# KiCad board sizif128.kicad_pcb (continued)
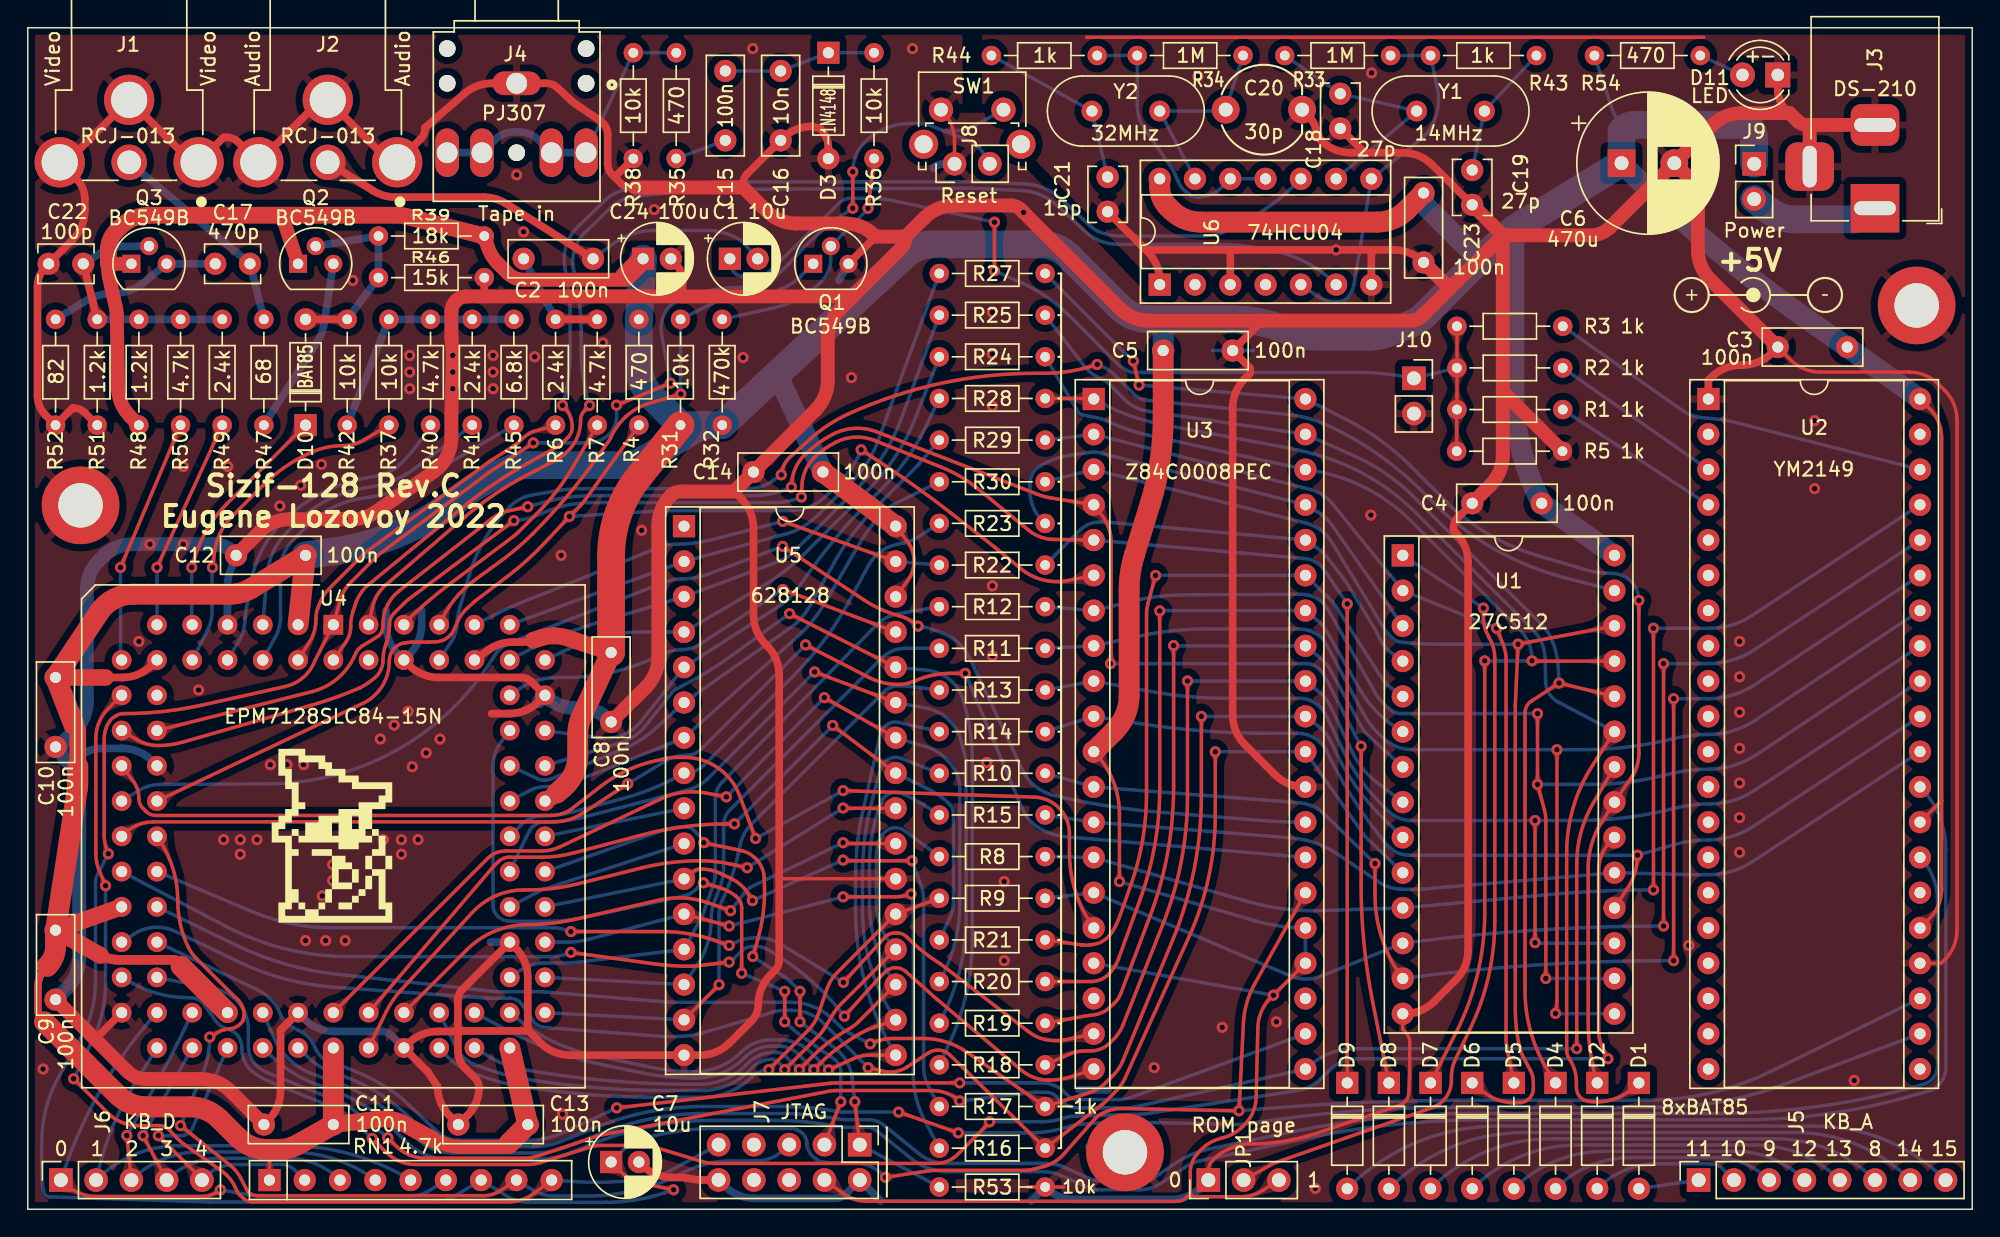
[diagram p0: board, top side]
## Copper pours and planes (outline as drawn; the poured copper is in the pictures) (continued)
TMS on Top: 10.42,25.02 10.33,25.27 10.25,25.49 10.2,25.68 10.15,25.84 10.12,26 10.09,26.15 10.07,26.32 10.05,26.49 10.01,26.93 9.11,27.16 8.92,26.26 9.11,26.14 9.28,26.04 9.43,25.94 9.57,25.85 9.69,25.76 9.8,25.65 9.9,25.52 10,25.36 10.09,25.17 10.19,24.93
TMS on Top: 32.48,0.88 32.83,0.85 33.13,0.86 33.39,0.92 33.62,0.99 33.83,1.08 34.03,1.17 34.24,1.25 34.48,1.31 34.75,1.33 35.06,1.31 35.51,2.32 34.49,2.51 34.34,2.24 34.19,2 34.05,1.77 33.9,1.57 33.75,1.41 33.57,1.27 33.37,1.17 33.13,1.11 32.84,1.09 32.51,1.12
TMS on Bottom: 37.85,1.08 37.51,1.1 37.22,1.15 36.98,1.23 36.78,1.33 36.61,1.47 36.45,1.63 36.31,1.82 36.17,2.03 36.02,2.27 35.85,2.53 34.84,2.31 35.17,1.3 35.49,1.28 35.77,1.24 36.02,1.19 36.23,1.13 36.44,1.06 36.66,1 36.89,0.93 37.16,0.88 37.47,0.84 37.84,0.83
TMS on Bottom: 13.12,11.18 13.15,11.33 13.17,11.46 13.19,11.57 13.22,11.66 13.24,11.75 13.27,11.83 13.31,11.91 13.35,12 13.4,12.1 13.45,12.22 13.11,12.6 12.74,12.24 12.78,12.12 12.83,12.03 12.86,11.94 12.89,11.85 12.9,11.77 12.91,11.68 12.92,11.59 12.91,11.49 12.9,11.37 12.88,11.23
TMS on Bottom: 52.63,3.36 52.94,3.39 53.2,3.43 53.43,3.48 53.62,3.53 53.8,3.58 53.98,3.64 54.16,3.69 54.37,3.74 54.6,3.77 54.88,3.8 55.14,4.93 54.04,4.99 53.85,4.54 53.76,4.35 53.67,4.17 53.57,4.02 53.44,3.89 53.29,3.78 53.11,3.7 52.88,3.64 52.61,3.61
TMS on Bottom: 11.35,7.17 11.29,7.04 11.24,6.92 11.19,6.83 11.14,6.75 11.09,6.68 11.04,6.61 10.98,6.55 10.91,6.48 10.83,6.41 10.74,6.33 10.92,5.84 11.4,6.04 11.39,6.17 11.39,6.28 11.39,6.37 11.4,6.46 11.41,6.54 11.42,6.63 11.45,6.72 11.48,6.82 11.53,6.94 11.58,7.07
VA0 on Top: 59.89,22.63 59.75,22.63 59.62,22.63 59.52,22.64 59.42,22.65 59.34,22.67 59.25,22.69 59.17,22.72 59.08,22.76 58.99,22.81 58.87,22.86 58.5,22.5 58.87,22.14 58.99,22.19 59.08,22.24 59.17,22.28 59.25,22.31 59.34,22.33 59.42,22.35 59.52,22.36 59.62,22.37 59.75,22.37 59.89,22.38
VA0 on Top: 49.59,20.77 49.31,20.85 49.08,20.93 48.88,21.01 48.71,21.1 48.56,21.19 48.42,21.3 48.28,21.41 48.13,21.54 47.97,21.7 47.77,21.87 46.86,21.36 47.4,20.47 47.66,20.53 47.88,20.58 48.07,20.62 48.25,20.65 48.43,20.67 48.6,20.68 48.79,20.67 49,20.64 49.24,20.6 49.53,20.53
VA0 on Top: 49.32,20.58 49.46,20.55 49.57,20.51 49.68,20.47 49.76,20.44 49.84,20.4 49.91,20.35 49.99,20.3 50.06,20.25 50.15,20.18 50.24,20.1 50.69,20.35 50.42,20.79 50.3,20.77 50.2,20.75 50.1,20.74 50.01,20.73 49.93,20.73 49.84,20.73 49.75,20.74 49.64,20.76 49.52,20.79 49.38,20.83
VA0 on Bottom: 40.33,19.56 39.96,19.46 39.64,19.39 39.35,19.35 39.09,19.35 38.85,19.37 38.62,19.42 38.39,19.5 38.14,19.6 37.86,19.73 37.55,19.88 36.88,19.24 37.55,18.6 37.87,18.75 38.16,18.85 38.41,18.93 38.65,18.98 38.88,19.02 39.13,19.05 39.39,19.09 39.68,19.14 40.01,19.22 40.41,19.32
VA0 on Bottom: 64.54,6.19 64.66,5.96 64.75,5.76 64.81,5.59 64.86,5.43 64.89,5.28 64.91,5.13 64.92,4.97 64.92,4.8 64.92,4.6 64.93,4.37 65.79,4.09 66.04,4.96 65.86,5.1 65.7,5.21 65.56,5.31 65.43,5.41 65.32,5.51 65.21,5.62 65.11,5.75 65,5.9 64.89,6.08 64.76,6.31
VA0 on Bottom: 44.97,20.53 45.26,20.6 45.5,20.64 45.71,20.67 45.9,20.68 46.07,20.67 46.25,20.65 46.43,20.62 46.62,20.58 46.84,20.53 47.1,20.47 47.64,21.36 46.73,21.87 46.53,21.7 46.37,21.54 46.22,21.41 46.08,21.3 45.94,21.19 45.79,21.1 45.62,21.01 45.42,20.93 45.19,20.85 44.91,20.77
VA0 on Bottom: 63.86,21.21 63.88,21.41 63.89,21.57 63.91,21.96 63.92,22.08 63.93,22.19 63.94,22.32 63.97,22.46 63.99,22.63 63.55,22.89 63.3,22.43 63.4,22.32 63.47,22.22 63.53,22.12 63.58,22.02 63.61,21.92 63.63,21.81 63.64,21.69 63.63,21.55 63.63,21.4 63.61,21.23
VA1 on Top: 48.46,24.63 48.33,24.62 48.22,24.61 48.11,24.59 48.01,24.57 47.84,24.53 47.76,24.51 47.7,24.5 47.65,24.51 47.6,24.52 46.93,23.56 48.03,23.96 48.03,23.99 48.04,24.04 48.06,24.09 48.09,24.15 48.13,24.2 48.17,24.26 48.23,24.3 48.3,24.34 48.37,24.37 48.46,24.38
VA1 on Top: 62.49,24.97 62.63,24.97 62.75,24.97 62.86,24.96 62.95,24.95 63.04,24.93 63.12,24.91 63.2,24.88 63.29,24.84 63.39,24.79 63.5,24.74 63.88,25.1 63.5,25.46 63.39,25.41 63.29,25.36 63.2,25.32 63.12,25.29 63.04,25.27 62.95,25.25 62.86,25.24 62.75,25.23 62.63,25.23 62.49,25.22
VA1 on Top: 51.33,23.2 51.44,23.09 51.52,22.99 51.59,22.9 51.65,22.81 51.69,22.73 51.71,22.64 51.74,22.54 51.75,22.44 51.76,22.32 51.78,22.19 52.28,22.05 52.39,22.56 52.28,22.64 52.18,22.71 52.09,22.78 52.02,22.85 51.95,22.92 51.88,22.99 51.72,23.16 51.62,23.26 51.5,23.38
VA1 on Bottom: 57.67,24.55 57.8,24.61 57.91,24.65 58.01,24.69 58.1,24.72 58.19,24.73 58.27,24.75 58.36,24.75 58.46,24.75 58.56,24.75 58.69,24.75 58.88,25.23 58.39,25.41 58.31,25.31 58.24,25.23 58.18,25.16 58.11,25.1 58.05,25.04 57.98,24.99 57.9,24.94 57.8,24.89 57.69,24.84 57.56,24.78
VA1 on Bottom: 64.19,24.02 64.15,24.16 64.11,24.28 64.08,24.38 64.06,24.47 64.05,24.56 64.04,24.64 64.04,24.73 64.05,24.83 64.06,24.93 64.07,25.06 63.61,25.29 63.4,24.81 63.48,24.73 63.56,24.65 63.62,24.58 63.68,24.51 63.73,24.44 63.78,24.37 63.82,24.28 63.86,24.19 63.91,24.07 63.96,23.94
VA1 on Bottom: 64.38,10.17 64.4,9.78 64.45,9.46 64.51,9.18 64.58,8.93 64.65,8.71 64.73,8.49 64.8,8.27 64.86,8.01 64.91,7.72 64.93,7.38 65.8,7.09 66.04,7.97 65.77,8.16 65.54,8.33 65.33,8.49 65.15,8.66 65,8.83 64.87,9.03 64.77,9.25 64.7,9.51 64.65,9.82 64.63,10.18
VA1 on Bottom: 39.31,22.32 39.05,22.28 38.83,22.25 38.64,22.23 38.47,22.23 38.32,22.25 38.16,22.27 38.01,22.31 37.83,22.36 37.64,22.41 37.42,22.47 36.89,21.71 37.67,21.21 37.85,21.36 38.01,21.48 38.15,21.59 38.28,21.68 38.41,21.77 38.55,21.84 38.71,21.9 38.89,21.97 39.1,22.02 39.35,22.08
VA1 on Bottom: 53.21,22.83 53.08,22.77 52.96,22.72 52.86,22.69 52.77,22.66 52.69,22.64 52.6,22.63 52.51,22.62 52.42,22.62 52.31,22.62 52.19,22.62 51.99,22.14 52.48,21.97 52.56,22.06 52.63,22.14 52.7,22.21 52.76,22.28 52.83,22.33 52.9,22.38 52.98,22.43 53.07,22.48 53.18,22.54 53.31,22.6
VA1 on Bottom: 44.93,23.2 45.22,23.26 45.47,23.29 45.68,23.3 45.87,23.3 46.04,23.28 46.21,23.25 46.39,23.21 46.58,23.15 46.8,23.09 47.05,23.03 47.64,23.88 46.77,24.44 46.56,24.28 46.38,24.14 46.23,24.01 46.08,23.9 45.94,23.81 45.78,23.72 45.61,23.65 45.41,23.58 45.17,23.51 44.88,23.45
VA2 on Top: 55.97,42.47 55.84,42.54 55.73,42.6 55.64,42.66 55.56,42.71 55.5,42.76 55.43,42.82 55.37,42.89 55.31,42.96 55.24,43.04 55.17,43.14 54.67,42.99 54.84,42.5 54.97,42.5 55.07,42.49 55.17,42.49 55.26,42.48 55.34,42.46 55.43,42.44 55.52,42.41 55.61,42.37 55.73,42.32 55.86,42.25
VA2 on Top: 60.3,40.01 60.56,39.87 60.77,39.74 60.95,39.62 61.09,39.5 61.22,39.38 61.33,39.25 61.45,39.11 61.57,38.95 61.7,38.76 61.85,38.55 62.85,38.86 62.5,39.84 62.24,39.84 62.02,39.84 61.82,39.84 61.64,39.85 61.46,39.86 61.29,39.89 61.11,39.94 60.9,40.01 60.68,40.1 60.41,40.23
VA2 on Bottom: 66.76,13.25 66.63,12.89 66.5,12.59 66.39,12.32 66.27,12.1 66.15,11.9 66.01,11.71 65.86,11.54 65.67,11.36 65.45,11.16 65.19,10.94 65.48,10.08 66.33,10.41 66.33,10.75 66.34,11.05 66.37,11.3 66.41,11.54 66.47,11.76 66.54,11.98 66.63,12.22 66.73,12.49 66.86,12.8 67,13.17
VA2 on Bottom: 66.3,38.37 65.89,38.64 65.52,38.82 65.18,38.94 64.87,39.02 64.57,39.07 64.27,39.12 63.97,39.19 63.66,39.29 63.33,39.45 62.96,39.69 62.09,39.08 62.77,38.29 63.17,38.44 63.53,38.57 63.86,38.68 64.17,38.76 64.47,38.8 64.77,38.79 65.08,38.73 65.41,38.61 65.76,38.42 66.15,38.17
VA2 on Bottom: 39.24,32.68 38.99,32.61 38.78,32.56 38.59,32.53 38.42,32.51 38.26,32.51 38.11,32.52 37.95,32.54 37.78,32.57 37.58,32.61 37.35,32.64 36.9,31.84 37.72,31.42 37.89,31.58 38.04,31.72 38.17,31.84 38.29,31.94 38.41,32.04 38.54,32.13 38.69,32.21 38.86,32.28 39.07,32.36 39.32,32.44
VA2 on Bottom: 53.96,42.1 54.08,42.18 54.18,42.25 54.27,42.31 54.35,42.35 54.43,42.39 54.51,42.42 54.6,42.44 54.69,42.46 54.8,42.48 54.92,42.51 55.01,43.02 54.5,43.09 54.44,42.98 54.39,42.89 54.34,42.8 54.29,42.73 54.23,42.66 54.18,42.6 54.11,42.53 54.03,42.47 53.93,42.39 53.81,42.3
VA3 on Top: 57.81,38.4 57.67,38.45 57.56,38.5 57.46,38.54 57.38,38.59 57.31,38.63 57.24,38.69 57.17,38.74 57.1,38.81 57.03,38.89 56.94,38.98 56.46,38.77 56.69,38.3 56.81,38.31 56.92,38.32 57.01,38.32 57.1,38.32 57.19,38.32 57.27,38.3 57.37,38.28 57.47,38.25 57.58,38.21 57.72,38.16
VA3 on Top: 60.21,37.23 60.48,37.12 60.71,37.01 60.89,36.91 61.05,36.81 61.19,36.7 61.32,36.58 61.45,36.45 61.58,36.31 61.73,36.14 61.91,35.95 62.86,36.36 62.42,37.3 62.16,37.27 61.93,37.25 61.74,37.22 61.55,37.21 61.38,37.21 61.2,37.22 61.02,37.24 60.81,37.29 60.57,37.36 60.3,37.46
VA3 on Bottom: 55.9,37.77 56,37.87 56.09,37.96 56.17,38.02 56.25,38.08 56.32,38.13 56.39,38.17 56.47,38.21 56.56,38.24 56.66,38.28 56.78,38.32 56.79,38.84 56.27,38.83 56.23,38.71 56.19,38.61 56.16,38.52 56.12,38.44 56.08,38.37 56.03,38.3 55.97,38.22 55.91,38.14 55.82,38.05 55.72,37.95
VA3 on Bottom: 35.51,26.3 35.39,26.06 35.28,25.87 35.18,25.71 35.08,25.58 34.97,25.46 34.86,25.35 34.74,25.25 34.6,25.14 34.44,25.02 34.26,24.88 34.55,24 35.41,24.32 35.41,24.56 35.4,24.76 35.4,24.93 35.4,25.09 35.42,25.25 35.44,25.4 35.48,25.57 35.54,25.75 35.62,25.95 35.73,26.19
VA3 on Bottom: 66.21,35.5 65.83,35.8 65.48,36.02 65.15,36.17 64.85,36.27 64.55,36.35 64.27,36.43 63.97,36.52 63.67,36.65 63.36,36.84 63.01,37.1 62.1,36.57 62.7,35.73 63.11,35.84 63.48,35.94 63.82,36.02 64.13,36.07 64.44,36.08 64.73,36.05 65.03,35.96 65.35,35.82 65.68,35.6 66.05,35.31
VA3 on Bottom: 66.39,15.36 66.29,15.12 66.2,14.93 66.11,14.77 66.01,14.63 65.91,14.52 65.8,14.41 65.68,14.31 65.54,14.21 65.38,14.09 65.2,13.95 65.47,13.09 66.33,13.39 66.33,13.62 66.33,13.82 66.33,14 66.34,14.16 66.35,14.31 66.38,14.46 66.41,14.63 66.46,14.81 66.53,15.02 66.62,15.27
VA4 on Top: 58.45,36.38 58.32,36.45 58.22,36.51 58.13,36.57 58.05,36.63 57.99,36.69 57.93,36.75 57.87,36.81 57.81,36.89 57.75,36.98 57.68,37.08 57.18,36.95 57.33,36.45 57.45,36.44 57.56,36.43 57.65,36.42 57.74,36.41 57.82,36.39 57.91,36.36 57.99,36.33 58.09,36.28 58.2,36.23 58.33,36.16
VA4 on Top: 60.35,35.02 60.6,34.87 60.8,34.74 60.97,34.61 61.12,34.48 61.24,34.36 61.35,34.22 61.45,34.07 61.56,33.91 61.69,33.72 61.83,33.5 62.84,33.76 62.54,34.76 62.28,34.77 62.05,34.78 61.85,34.79 61.67,34.8 61.5,34.83 61.33,34.86 61.15,34.92 60.95,35 60.73,35.1 60.47,35.24
VA4 on Top: 23.42,15.76 23.23,15.58 23.07,15.43 22.92,15.31 22.77,15.22 22.64,15.15 22.5,15.08 22.34,15.03 22.18,14.97 21.99,14.91 21.77,14.83 21.75,13.91 22.67,13.93 22.75,14.15 22.81,14.34 22.87,14.5 22.92,14.66 22.99,14.8 23.06,14.93 23.15,15.08 23.27,15.23 23.42,15.39 23.6,15.58
VA4 on Bottom: 66.18,32.54 65.82,32.89 65.48,33.15 65.17,33.33 64.86,33.47 64.57,33.58 64.28,33.69 64,33.81 63.7,33.97 63.4,34.2 63.08,34.5 62.11,34.07 62.62,33.17 63.05,33.24 63.44,33.3 63.79,33.35 64.12,33.36 64.43,33.34 64.73,33.27 65.03,33.15 65.34,32.97 65.66,32.71 66,32.37
VA4 on Bottom: 56.6,35.91 56.71,36.02 56.8,36.1 56.88,36.17 56.95,36.23 57.02,36.28 57.1,36.32 57.18,36.36 57.27,36.39 57.37,36.43 57.48,36.47 57.49,36.99 56.97,36.98 56.93,36.86 56.89,36.76 56.86,36.67 56.82,36.59 56.78,36.52 56.73,36.44 56.68,36.37 56.61,36.28 56.53,36.19 56.43,36.09
VA4 on Bottom: 51.05,30.64 50.94,30.53 50.85,30.45 50.77,30.38 50.7,30.32 50.63,30.27 50.55,30.23 50.47,30.19 50.38,30.16 50.28,30.12 50.17,30.08 50.16,29.56 50.68,29.57 50.72,29.69 50.76,29.79 50.79,29.88 50.83,29.96 50.87,30.03 50.92,30.11 50.97,30.18 51.04,30.27 51.12,30.36 51.22,30.46
VA4 on Bottom: 66.38,18.36 66.29,18.12 66.2,17.93 66.11,17.77 66.02,17.63 65.92,17.52 65.81,17.41 65.68,17.31 65.55,17.21 65.39,17.09 65.21,16.96 65.47,16.09 66.33,16.39 66.33,16.62 66.34,16.82 66.34,16.99 66.35,17.15 66.36,17.31 66.38,17.46 66.42,17.63 66.46,17.81 66.53,18.03 66.61,18.28
VA5 on Top: 49.51,27.61 49.68,27.62 49.82,27.62 49.95,27.62 50.06,27.61 50.16,27.6 50.26,27.58 50.36,27.55 50.46,27.51 50.58,27.46 50.71,27.39 51.08,27.76 50.71,28.11 50.57,28.05 50.46,28 50.35,27.96 50.25,27.93 50.16,27.91 50.05,27.9 49.94,27.88 49.82,27.88 49.67,27.87 49.5,27.86
VA5 on Top: 25.83,15.86 25.66,15.67 25.5,15.51 25.36,15.38 25.23,15.28 25.1,15.19 24.96,15.12 24.81,15.05 24.65,14.98 24.47,14.9 24.25,14.81 24.31,13.89 25.23,13.98 25.28,14.2 25.33,14.4 25.38,14.57 25.42,14.73 25.47,14.87 25.54,15.02 25.62,15.16 25.72,15.32 25.85,15.5 26.02,15.7
VA5 on Top: 60.51,32.76 60.74,32.58 60.92,32.42 61.08,32.27 61.2,32.12 61.3,31.98 61.39,31.83 61.48,31.67 61.56,31.49 61.66,31.29 61.78,31.06 62.81,31.18 62.65,32.2 62.39,32.25 62.17,32.29 61.97,32.33 61.79,32.36 61.63,32.41 61.46,32.47 61.29,32.55 61.1,32.65 60.9,32.79 60.66,32.96
VA5 on Top: 58.97,34.23 58.86,34.32 58.77,34.4 58.69,34.47 58.62,34.54 58.56,34.6 58.51,34.67 58.46,34.74 58.41,34.83 58.36,34.92 58.31,35.03 57.79,34.97 57.87,34.46 57.99,34.43 58.1,34.41 58.19,34.39 58.28,34.36 58.36,34.33 58.44,34.29 58.52,34.25 58.61,34.19 58.71,34.12 58.82,34.03
VA5 on Bottom: 64.69,30.47 64.43,30.61 64.21,30.73 64.04,30.85 63.89,30.97 63.76,31.09 63.65,31.22 63.53,31.36 63.41,31.52 63.28,31.7 63.12,31.91 62.13,31.6 62.48,30.62 62.74,30.62 62.97,30.62 63.17,30.63 63.35,30.62 63.52,30.61 63.7,30.58 63.88,30.54 64.08,30.47 64.31,30.37 64.58,30.25
VA5 on Bottom: 57.2,33.9 57.3,34 57.4,34.09 57.48,34.16 57.56,34.22 57.63,34.27 57.71,34.31 57.79,34.35 57.88,34.39 57.98,34.43 58.1,34.48 58.09,35 57.57,34.96 57.53,34.85 57.5,34.74 57.46,34.65 57.43,34.57 57.38,34.5 57.34,34.42 57.28,34.35 57.21,34.27 57.12,34.18 57.02,34.07
VA5 on Bottom: 66.53,22.3 66.52,21.92 66.49,21.6 66.43,21.33 66.34,21.1 66.22,20.89 66.07,20.71 65.9,20.53 65.69,20.35 65.46,20.16 65.19,19.95 65.48,19.08 66.33,19.42 66.34,19.77 66.37,20.07 66.42,20.33 66.48,20.57 66.56,20.79 66.63,21.03 66.69,21.28 66.74,21.57 66.77,21.9 66.78,22.3
VA5 on Bottom: 51.63,28.68 51.53,28.58 51.44,28.5 51.36,28.43 51.28,28.37 51.21,28.33 51.14,28.28 51.06,28.25 50.97,28.21 50.87,28.17 50.75,28.13 50.74,27.61 51.26,27.62 51.3,27.74 51.34,27.84 51.37,27.93 51.41,28.01 51.45,28.09 51.5,28.16 51.56,28.23 51.62,28.31 51.71,28.41 51.81,28.51
VA6 on Top: 60.2,47.34 60.47,47.24 60.7,47.14 60.89,47.04 61.05,46.94 61.19,46.84 61.32,46.72 61.45,46.59 61.58,46.45 61.74,46.29 61.92,46.1 62.87,46.53 62.4,47.46 62.14,47.42 61.92,47.39 61.72,47.37 61.54,47.35 61.37,47.34 61.19,47.35 61,47.37 60.8,47.42 60.56,47.48 60.28,47.58
VA6 on Top: 55.51,49.27 55.38,49.32 55.26,49.36 55.17,49.41 55.08,49.45 55.01,49.5 54.94,49.55 54.87,49.6 54.8,49.67 54.72,49.74 54.63,49.83 54.16,49.62 54.39,49.15 54.52,49.17 54.62,49.18 54.72,49.18 54.81,49.18 54.89,49.18 54.98,49.17 55.07,49.15 55.18,49.12 55.29,49.08 55.43,49.03
VA6 on Bottom: 63.54,46.45 63.79,46.42 64.01,46.39 64.19,46.35 64.35,46.31 64.49,46.25 64.63,46.18 64.76,46.11 64.91,46.02 65.08,45.91 65.27,45.8 65.98,46.37 65.38,47.05 65.17,46.97 64.99,46.9 64.82,46.83 64.68,46.78 64.53,46.74 64.38,46.7 64.21,46.68 64.03,46.68 63.81,46.68 63.56,46.7
VA6 on Bottom: 64.88,46.59 64.59,46.62 64.35,46.65 64.14,46.7 63.96,46.76 63.79,46.82 63.64,46.9 63.48,46.99 63.31,47.09 63.12,47.21 62.9,47.35 62.09,46.69 62.78,45.91 63.02,46.01 63.23,46.1 63.41,46.17 63.58,46.23 63.75,46.29 63.92,46.32 64.11,46.35 64.32,46.36 64.57,46.36 64.86,46.34
VA6 on Bottom: 34.02,43.15 33.78,43.04 33.58,42.96 33.4,42.89 33.24,42.85 33.08,42.83 32.93,42.81 32.77,42.81 32.59,42.81 32.39,42.81 32.16,42.81 31.84,41.94 32.72,41.66 32.86,41.84 32.98,42 33.09,42.14 33.19,42.27 33.3,42.38 33.41,42.49 33.55,42.59 33.71,42.7 33.9,42.81 34.13,42.93
VA7 on Bottom: 45.15,30.24 45.43,30.35 45.66,30.44 45.87,30.5 46.06,30.54 46.24,30.57 46.41,30.59 46.6,30.6 47.03,30.61 47.29,30.62 47.6,31.61 46.6,31.88 46.45,31.67 46.32,31.49 46.21,31.32 46.1,31.18 45.99,31.05 45.86,30.92 45.71,30.81 45.53,30.7 45.32,30.59 45.05,30.47
VA7 on Bottom: 62.77,47.82 63.18,47.88 63.53,47.96 63.82,48.05 64.07,48.16 64.3,48.27 64.53,48.38 64.77,48.48 65.03,48.57 65.34,48.65 65.7,48.7 65.92,49.59 65.03,49.77 64.85,49.46 64.68,49.19 64.52,48.96 64.35,48.75 64.17,48.57 63.97,48.42 63.74,48.29 63.46,48.2 63.13,48.12 62.74,48.06
VA7 on Bottom: 36.71,28.43 36.41,28.36 36.15,28.28 35.94,28.19 35.76,28.09 35.59,27.99 35.43,27.89 35.26,27.79 35.07,27.7 34.84,27.62 34.57,27.56 34.45,26.61 35.37,26.63 35.53,27.1 35.61,27.31 35.69,27.5 35.79,27.66 35.91,27.81 36.06,27.93 36.25,28.04 36.48,28.12 36.76,28.19
VA7 on Bottom: 49.18,32.65 48.99,32.48 48.83,32.34 48.67,32.24 48.52,32.16 48.36,32.11 48.21,32.09 48.04,32.08 47.87,32.1 47.67,32.14 47.46,32.19 46.86,31.34 47.82,30.85 48.01,31.05 48.17,31.21 48.31,31.36 48.43,31.5 48.67,31.76 48.8,31.91 48.96,32.07 49.14,32.26 49.35,32.48
VA8 on Bottom: 40.43,41.11 40,40.96 39.64,40.82 39.05,40.59 38.8,40.49 38.54,40.41 38.28,40.35 37.98,40.3 37.65,40.28 37.25,40.27 36.92,39.41 37.79,39.11 38.05,39.42 38.27,39.67 38.48,39.89 38.69,40.06 38.91,40.22 39.15,40.35 39.42,40.48 39.73,40.6 40.09,40.73 40.51,40.87
VA8 on Bottom: 49.25,42.89 49,42.75 48.77,42.64 48.58,42.56 48.4,42.5 48.23,42.46 48.05,42.44 47.87,42.42 47.67,42.41 47.45,42.4 47.19,42.38 46.9,41.38 47.91,41.13 48.06,41.35 48.18,41.54 48.29,41.71 48.39,41.86 48.5,42 48.62,42.13 48.76,42.25 48.92,42.39 49.13,42.52 49.38,42.68
VA8 on Bottom: 64.99,59.41 65.08,59.64 65.18,59.84 65.26,60 65.35,60.14 65.45,60.26 65.55,60.38 65.66,60.49 65.79,60.6 65.94,60.73 66.11,60.89 65.76,61.73 64.93,61.34 64.95,61.12 64.97,60.92 64.99,60.75 64.99,60.59 64.99,60.44 64.98,60.29 64.95,60.12 64.91,59.94 64.84,59.74 64.75,59.5
VA8 on Bottom: 44.86,41.45 45.15,41.45 45.4,41.43 45.61,41.4 45.79,41.36 45.96,41.31 46.12,41.25 46.29,41.17 46.47,41.08 46.67,40.98 46.9,40.86 47.65,41.58 46.9,42.3 46.67,42.18 46.47,42.08 46.29,41.99 46.12,41.91 45.96,41.85 45.79,41.8 45.61,41.76 45.4,41.73 45.15,41.71 44.86,41.7
VA9 on Bottom: 36.78,40.77 36.51,40.64 36.27,40.54 36.07,40.46 35.89,40.4 35.71,40.36 35.54,40.33 35.36,40.31 35.16,40.29 34.94,40.28 34.67,40.27 34.39,39.39 35.27,39.14 35.43,39.35 35.56,39.53 35.68,39.69 35.8,39.83 35.92,39.95 36.06,40.07 36.22,40.18 36.4,40.29 36.62,40.41 36.88,40.54
VA9 on Bottom: 45,43.31 45.28,43.39 45.52,43.45 45.73,43.48 45.92,43.49 46.1,43.49 46.27,43.48 46.45,43.45 46.64,43.41 46.87,43.37 47.12,43.33 47.63,44.24 46.71,44.71 46.52,44.53 46.36,44.37 46.21,44.24 46.08,44.12 45.94,44.01 45.79,43.91 45.63,43.82 45.44,43.73 45.2,43.64 44.93,43.55
VA9 on Bottom: 65.03,62.39 65.12,62.63 65.21,62.83 65.29,63 65.38,63.14 65.47,63.26 65.57,63.37 65.68,63.49 65.81,63.61 65.95,63.74 66.12,63.9 65.75,64.73 64.93,64.33 64.96,64.11 64.98,63.91 65,63.74 65.01,63.58 65.01,63.43 65,63.27 64.98,63.11 64.94,62.93 64.88,62.72 64.79,62.48
VA9 on Bottom: 49.45,45.07 49.17,44.98 48.93,44.91 48.72,44.86 48.54,44.83 48.36,44.82 48.19,44.83 48.01,44.84 47.81,44.86 47.58,44.89 47.32,44.92 46.88,43.98 47.83,43.57 48.01,43.76 48.16,43.92 48.29,44.07 48.42,44.2 48.55,44.32 48.69,44.43 48.85,44.53 49.04,44.63 49.26,44.73 49.53,44.84
VA10 on Bottom: 45.05,45.73 45.32,45.82 45.56,45.89 45.77,45.93 45.96,45.96 46.13,45.97 46.31,45.96 46.49,45.95 46.69,45.92 46.91,45.89 47.17,45.86 47.63,46.8 46.68,47.22 46.5,47.03 46.34,46.86 46.21,46.72 46.08,46.59 45.95,46.47 45.81,46.37 45.65,46.27 45.46,46.17 45.23,46.07 44.96,45.96
VA10 on Bottom: 49.52,47.4 49.24,47.33 49,47.29 48.79,47.26 48.6,47.25 48.42,47.26 48.25,47.28 48.07,47.31 47.87,47.35 47.65,47.4 47.4,47.45 46.86,46.56 47.77,46.06 47.97,46.23 48.14,46.38 48.28,46.51 48.42,46.63 48.56,46.74 48.71,46.83 48.88,46.92 49.07,47 49.31,47.08 49.59,47.16
VA10 on Bottom: 65.03,65.39 65.12,65.63 65.21,65.83 65.29,66 65.38,66.14 65.47,66.26 65.57,66.37 65.68,66.49 65.81,66.61 65.95,66.74 66.12,66.9 65.75,67.73 64.93,67.33 64.96,67.1 64.98,66.91 65,66.74 65.01,66.58 65.01,66.43 65,66.27 64.98,66.11 64.94,65.93 64.88,65.72 64.79,65.48
VA10 on Bottom: 36.66,42.95 36.41,42.86 36.2,42.8 36.02,42.76 35.85,42.73 35.69,42.72 35.54,42.73 35.38,42.74 35.2,42.76 35,42.78 34.77,42.81 34.37,41.98 35.21,41.6 35.37,41.77 35.51,41.92 35.63,42.05 35.75,42.16 35.86,42.26 35.99,42.35 36.13,42.44 36.3,42.53 36.5,42.62 36.75,42.71
VA11 on Bottom: 64.21,55.27 64.43,55.65 64.61,55.98 64.76,56.27 64.9,56.52 65.03,56.75 65.17,56.96 65.34,57.17 65.53,57.38 65.77,57.61 66.07,57.85 65.78,58.72 64.93,58.4 64.93,58.01 64.91,57.68 64.88,57.4 64.83,57.13 64.76,56.89 64.67,56.64 64.55,56.38 64.4,56.1 64.22,55.77 64,55.39
VA11 on Bottom: 39.37,34.32 39.11,34.36 38.9,34.4 38.71,34.45 38.55,34.51 38.41,34.57 38.27,34.65 38.14,34.73 37.99,34.83 37.82,34.94 37.63,35.07 36.89,34.53 37.46,33.8 37.68,33.88 37.87,33.94 38.04,34 38.19,34.05 38.34,34.08 38.5,34.11 38.67,34.12 38.86,34.12 39.08,34.1 39.34,34.07
VA11 on Bottom: 49.19,40.44 48.94,40.28 48.73,40.17 48.53,40.08 48.36,40.01 48.19,39.96 48.02,39.93 47.84,39.91 47.64,39.89 47.41,39.86 47.15,39.83 46.91,38.82 47.93,38.62 48.07,38.85 48.18,39.04 48.28,39.21 48.38,39.37 48.48,39.51 48.59,39.64 48.72,39.78 48.89,39.92 49.08,40.06 49.33,40.23
VA11 on Bottom: 45.86,37.09 46.05,37.32 46.21,37.5 46.37,37.65 46.51,37.77 46.66,37.86 46.81,37.95 46.97,38.03 47.16,38.12 47.36,38.21 47.6,38.32 47.5,39.35 46.47,39.21 46.41,38.96 46.37,38.74 46.33,38.54 46.29,38.37 46.24,38.2 46.18,38.04 46.09,37.87 45.98,37.68 45.84,37.48 45.67,37.25
VA12 on Bottom: 64.37,53.73 64.54,53.92 64.69,54.07 64.83,54.2 64.96,54.3 65.09,54.38 65.22,54.46 65.36,54.52 65.52,54.59 65.7,54.67 65.91,54.76 65.86,55.67 64.95,55.58 64.9,55.36 64.85,55.16 64.81,55 64.77,54.84 64.72,54.7 64.65,54.56 64.57,54.41 64.47,54.26 64.34,54.09 64.18,53.89
VA12 on Bottom: 49.13,37.98 48.89,37.81 48.68,37.68 48.49,37.59 48.32,37.51 48.15,37.46 47.98,37.42 47.8,37.39 47.6,37.36 47.38,37.33 47.12,37.29 46.92,36.27 47.95,36.11 48.07,36.34 48.18,36.54 48.27,36.72 48.36,36.87 48.46,37.02 48.57,37.16 48.69,37.3 48.85,37.44 49.04,37.6 49.28,37.77
VA12 on Bottom: 36.69,31.16 36.45,31.27 36.26,31.38 36.1,31.48 35.96,31.58 35.84,31.68 35.74,31.79 35.63,31.91 35.52,32.05 35.4,32.21 35.25,32.39 34.38,32.09 34.71,31.23 34.94,31.23 35.14,31.24 35.32,31.25 35.48,31.24 35.64,31.23 35.79,31.21 35.96,31.17 36.14,31.11 36.34,31.03 36.58,30.93
VA12 on Bottom: 45.57,34.79 45.79,34.99 45.98,35.14 46.16,35.26 46.32,35.36 46.48,35.43 46.65,35.49 46.82,35.55 47.01,35.6 47.23,35.66 47.48,35.73 47.55,36.77 46.51,36.8 46.41,36.55 46.33,36.34 46.26,36.16 46.19,35.99 46.12,35.83 46.03,35.68 45.92,35.52 45.78,35.36 45.61,35.18 45.4,34.98
VA13 on Bottom: 48.95,35.64 48.73,35.45 48.53,35.3 48.36,35.18 48.19,35.09 48.03,35.02 47.87,34.96 47.69,34.91 47.5,34.86 47.28,34.8 47.03,34.73 46.95,33.69 47.99,33.65 48.09,33.9 48.17,34.11 48.24,34.29 48.31,34.46 48.39,34.62 48.48,34.77 48.59,34.92 48.73,35.08 48.9,35.26 49.12,35.46
VA13 on Bottom: 37.47,30.56 37.09,30.57 36.77,30.54 36.5,30.49 36.26,30.42 36.04,30.34 35.83,30.26 35.6,30.19 35.36,30.14 35.07,30.11 34.74,30.11 34.39,29.23 35.27,28.98 35.46,29.24 35.63,29.47 35.8,29.68 35.96,29.86 36.13,30.01 36.33,30.13 36.54,30.23 36.8,30.29 37.1,30.32 37.45,30.31
VA13 on Bottom: 63.81,51.36 64.04,51.47 64.24,51.55 64.42,51.61 64.58,51.66 64.73,51.68 64.88,51.7 65.04,51.7 65.21,51.7 65.41,51.7 65.64,51.7 65.94,52.56 65.08,52.83 64.94,52.65 64.82,52.49 64.72,52.35 64.62,52.23 64.51,52.12 64.4,52.01 64.27,51.91 64.12,51.81 63.93,51.7 63.7,51.58
VA13 on Bottom: 45.08,32.95 45.36,33.05 45.59,33.13 45.8,33.18 45.98,33.21 46.16,33.23 46.33,33.23 46.51,33.22 46.71,33.2 46.94,33.18 47.2,33.16 47.62,34.11 46.66,34.5 46.48,34.3 46.34,34.13 46.21,33.98 46.08,33.85 45.96,33.73 45.82,33.61 45.66,33.51 45.48,33.4 45.26,33.29 44.99,33.18
VA14 on Bottom: 45.02,25.48 45.3,25.57 45.54,25.63 45.75,25.66 45.93,25.68 46.11,25.69 46.28,25.67 46.46,25.65 46.66,25.62 46.88,25.59 47.14,25.55 47.63,26.46 46.7,26.92 46.51,26.73 46.35,26.57 46.21,26.43 46.08,26.31 45.94,26.2 45.8,26.1 45.64,26 45.44,25.91 45.22,25.81 44.94,25.72
VA14 on Bottom: 36.53,22.89 36.29,22.77 36.09,22.68 35.91,22.61 35.75,22.57 35.6,22.54 35.44,22.52 35.28,22.51 35.11,22.5 34.91,22.5 34.67,22.49 34.39,21.61 35.27,21.36 35.41,21.55 35.52,21.71 35.63,21.85 35.73,21.98 35.83,22.1 35.94,22.21 36.07,22.32 36.23,22.43 36.41,22.54 36.64,22.67
VA15 on Bottom: 44.93,28.28 45.22,28.34 45.47,28.37 45.68,28.38 45.87,28.38 46.04,28.36 46.21,28.33 46.39,28.29 46.58,28.23 46.8,28.17 47.05,28.11 47.64,28.96 46.77,29.52 46.56,29.36 46.38,29.22 46.23,29.09 46.08,28.98 45.94,28.89 45.78,28.8 45.61,28.73 45.41,28.66 45.17,28.59 44.88,28.53
VA15 on Bottom: 39.31,27.4 39.05,27.36 38.83,27.33 38.64,27.31 38.47,27.31 38.32,27.33 38.16,27.35 38.01,27.39 37.83,27.44 37.64,27.49 37.42,27.55 36.89,26.79 37.67,26.29 37.85,26.44 38.01,26.56 38.15,26.67 38.28,26.76 38.41,26.85 38.55,26.92 38.71,26.98 38.89,27.05 39.1,27.1 39.35,27.16
VA16 on Top: 49.44,21.78 49.57,21.73 49.69,21.68 49.78,21.64 49.87,21.6 49.94,21.55 50.01,21.5 50.08,21.45 50.15,21.38 50.23,21.31 50.32,21.22 50.79,21.43 50.55,21.9 50.43,21.88 50.32,21.87 50.23,21.87 50.14,21.87 50.06,21.87 49.97,21.88 49.88,21.9 49.77,21.93 49.66,21.97 49.52,22.01
VA16 on Top: 28.5,15.76 28.31,15.58 28.15,15.43 28,15.31 27.85,15.22 27.72,15.15 27.58,15.08 27.42,15.03 27.26,14.97 27.07,14.91 26.85,14.83 26.83,13.91 27.75,13.93 27.83,14.15 27.89,14.34 27.95,14.5 28,14.66 28.07,14.8 28.14,14.93 28.23,15.08 28.35,15.23 28.5,15.39 28.68,15.58